# KiCad board arena_10_of_10_v1r1.kicad_pcb (continued)
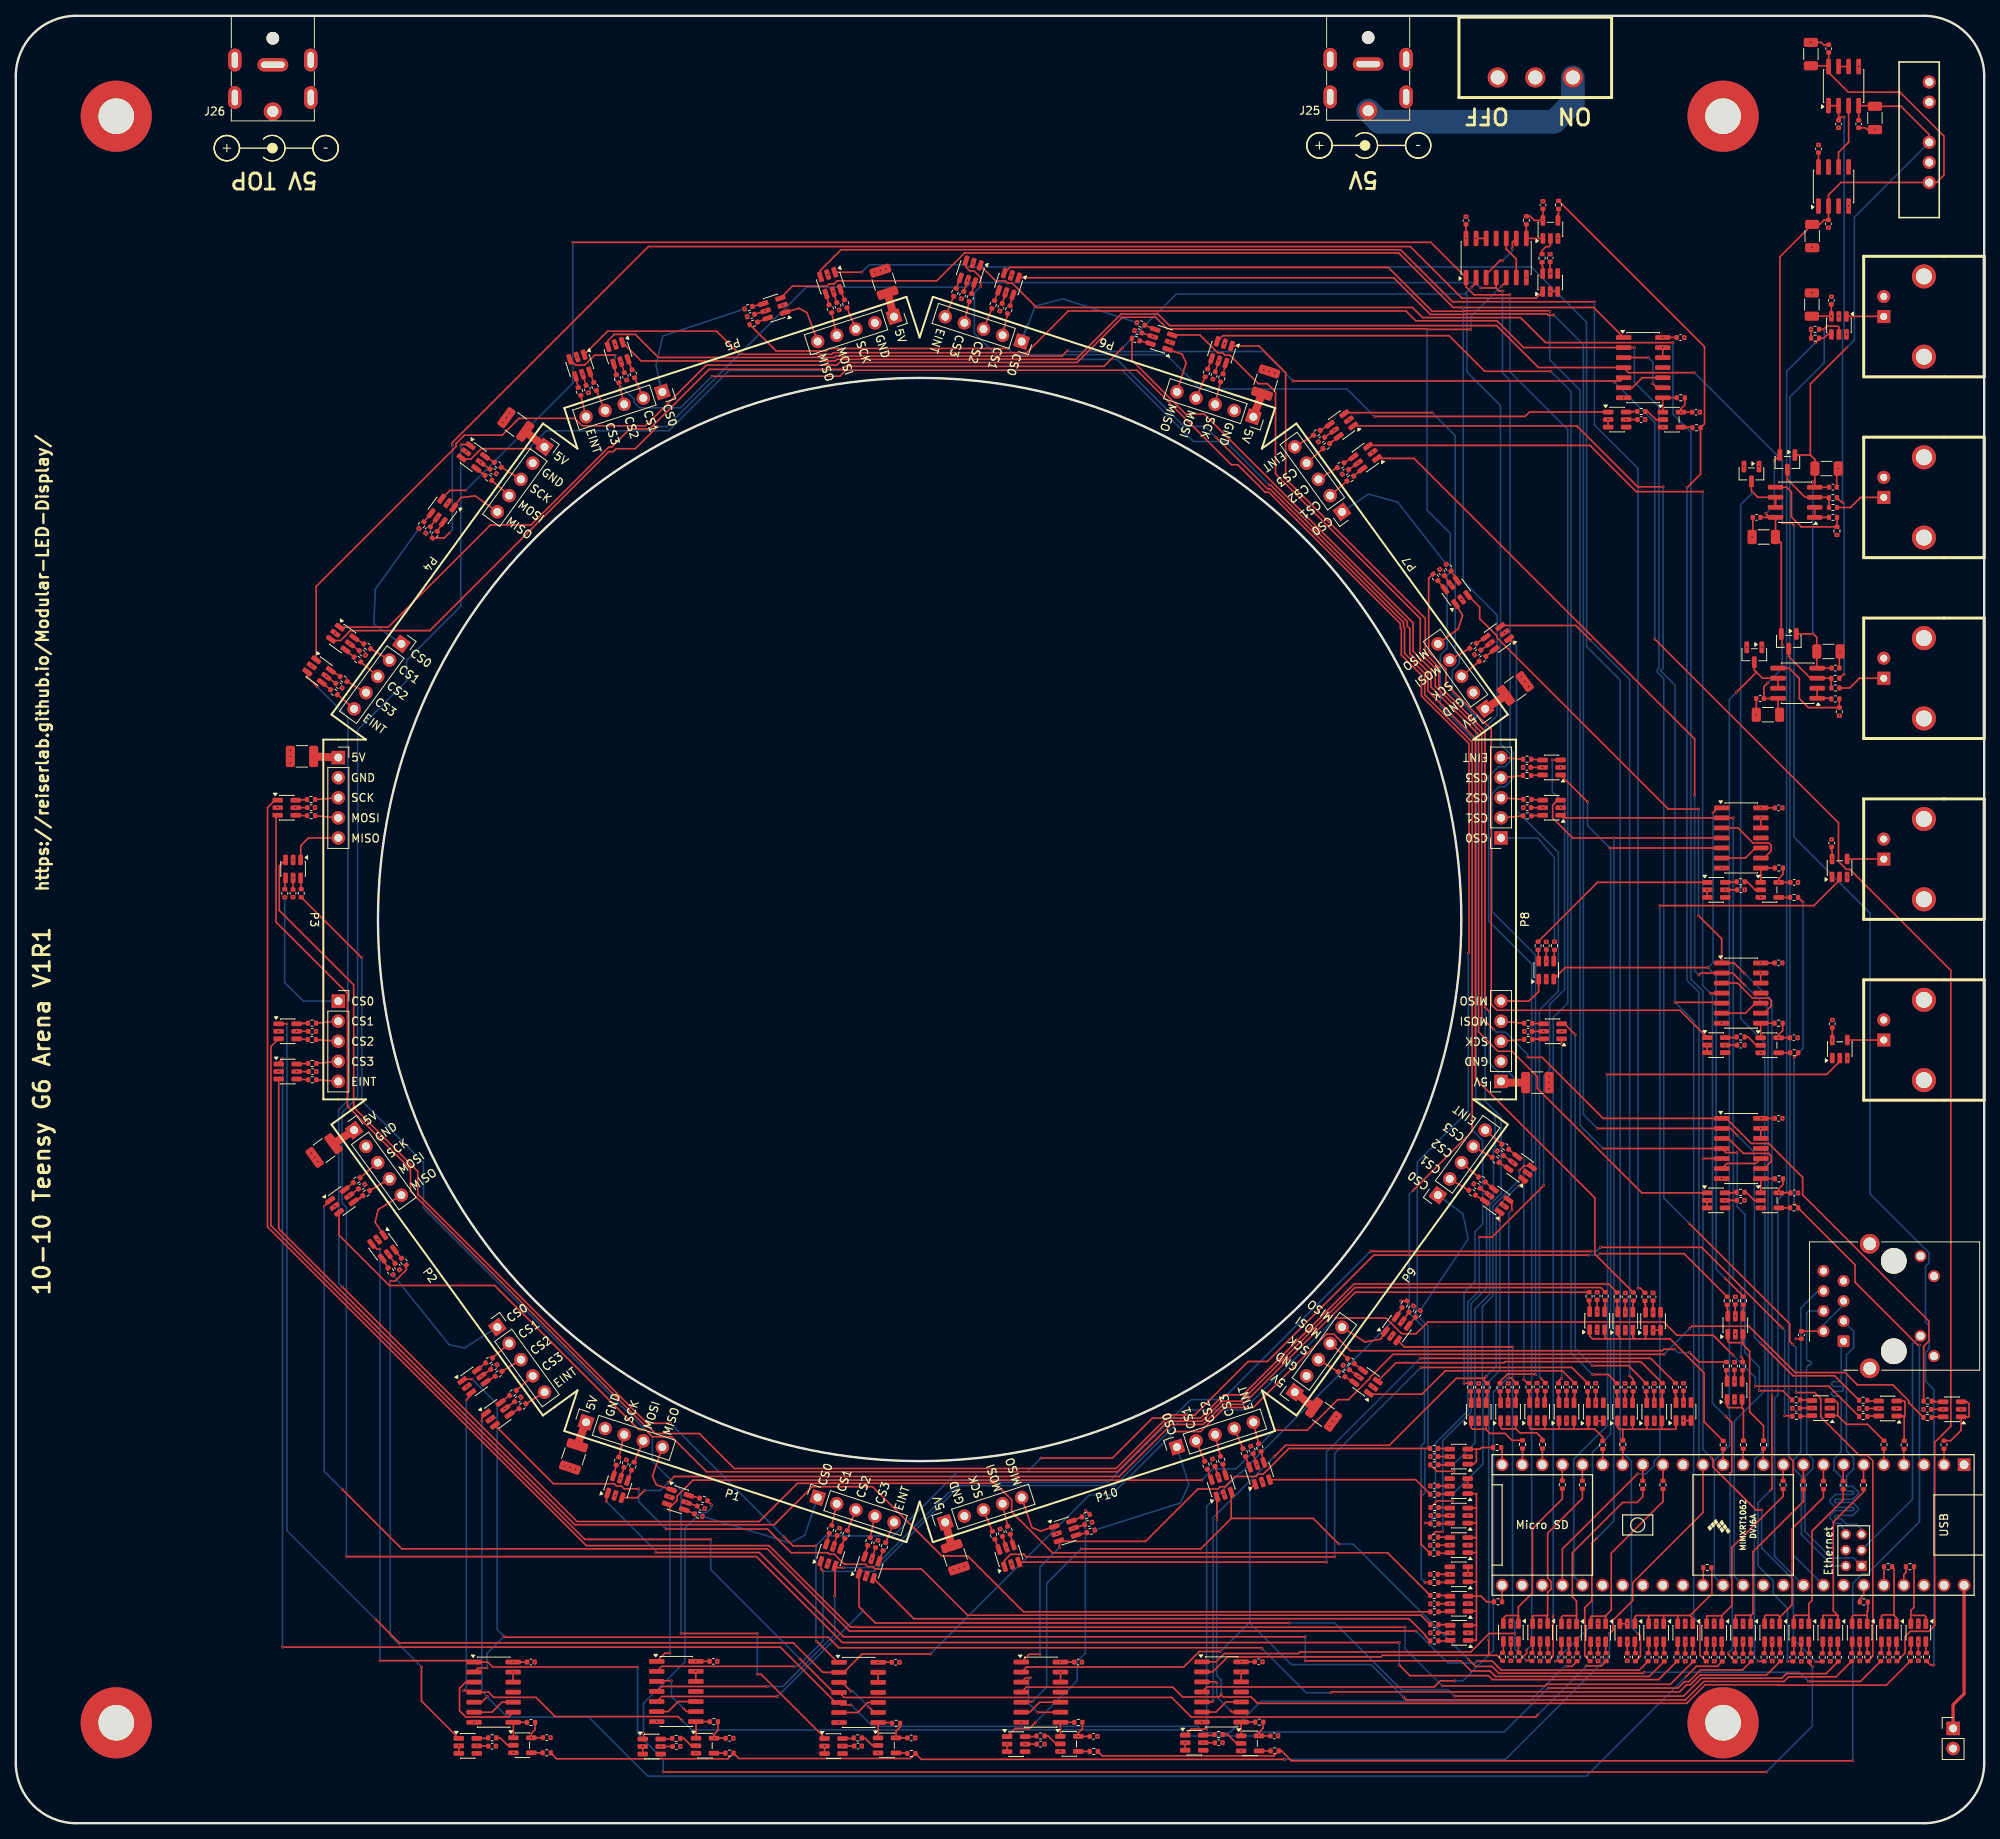
[diagram p0: board, top side]
## Routing (per net, layer and track width the routed paths; a pad name or vN(x,y) marks a point on that pad's centre or on a via; arc(x,y) is an arc through that point) (continued)
  Top w0.2: U11.6 195.15,53.93 195.07,54.01 R40.1
Net-(R41-Pad1): length 1.5
  Top w0.2: U11.4 197.05,54 197.13,54.09 R41.1
Net-(R42-Pad1): length 1.5
  Top w0.2: R42.1 198.77,54.26 198.85,54.18 U12.6
Net-(R43-Pad1): length 1.5
  Top w0.2: U13.6 202.55,54.03 202.48,54.11 R43.1
Net-(R44-Pad1): length 1.5
  Top w0.2: U13.4 204.45,53.98 204.54,54.07 R44.1
Net-(R45-Pad1): length 1.5
  Top w0.2: R45.1 206.17,54.12 206.25,54.04 U14.6
Net-(R46-Pad1): length 1.5
  Top w0.2: U14.4 208.15,54 208.22,54.07 R46.1
Net-(R47-Pad1): length 1.5
  Top w0.2: R47.1 209.88,54.13 209.95,54.05 U15.6
Net-(R48-Pad1): length 1.5
  Top w0.2: U16.6 242.34,51.4 R48.1
Net-(R49-Pad1): length 1.5
  Top w0.2: U16.4 242.75,53.3 242.67,53.38 R49.1
Net-(R50-Pad1): length 1.5
  Top w0.2: U17.6 234.2,51.5 R50.1
Net-(R51-Pad1): length 1.5
  Top w0.2: R51.1 234.21,53.4 U17.4
Net-(R52-Pad1): length 1.5
  Top w0.2: U18.6 227.04,51.47 R52.1
Net-(R53-Pad1): length 1.5
  Top w0.2: U18.4 227.04,53.54 R53.1
Net-(R54-Pad1): length 1.5
  Top w0.2: R54.1 230.42,21.54 230.42,22.95
Net-(R55-Pad1): length 1.5
  Top w0.2: R55.1 228.51,21.56 U19.4
Net-(R56-Pad1): length 1.5
  Top w0.2: R56.1 226.74,21.56 U20.6
Net-(R57-Pad1): length 1.5
  Top w0.2: R57.1 224.84,21.6 U20.4
Net-(R58-Pad1): length 1.5
  Top w0.2: U21.6 223.06,21.9 223.14,21.81 R58.1
Net-(R59-Pad1): length 1.5
  Top w0.2: 221.12,21.54 221.16,21.57 U21.4 ; 221.12,21.54 R59.1 221.12,21.54
Net-(R60-Pad1): length 1.5
  Top w0.2: R60.1 219.38,21.56 U22.6
Net-(R61-Pad1): length 1.5
  Top w0.2: R61.1 217.48,21.56 U22.4
Net-(R62-Pad1): length 1.5
  Top w0.2: 215.76,21.53 215.73,21.56 U23.6 ; 215.76,21.53 R62.1 215.76,21.53
Net-(R63-Pad1): length 1.5
  Top w0.2: U23.4 213.82,21.55 213.8,21.53 ; 213.8,21.53 R63.1 213.8,21.53
Net-(R64-Pad1): length 1.5
  Top w0.2: R64.1 216.42,64.98 216.5,64.9 U24.6
Net-(R65-Pad1): length 1.5
  Top w0.2: U24.4 218.4,64.91 218.48,64.99 R65.1
Net-(R66-Pad1): length 1.5
  Top w0.2: R66.1 216.31,56.68 216.4,56.59 216.4,55.88
Net-(R67-Pad1): length 1.5
  Top w0.2: R67.1 218.38,56.63 218.3,56.55 218.3,55.88
Net-(R68-Pad1): length 1.5
  Top w0.2: R68.1 201.05,21.59 U26.6
Net-(R69-Pad1): length 1.5
  Top w0.2: U26.4 199.15,21.59 R69.1
Net-(R70-Pad1): length 1.4
  Top w0.2: R70.1 197.37,21.6 U27.6
Net-(R71-Pad1): length 1.5
  Top w0.2: 195.46,22.93 195.46,21.59 R71.1
Net-(R72-Pad1): length 1.5
  Top w0.2: R72.1 193.71,21.59 U28.6
Net-(R73-Pad1): length 1.5
  Top w0.2: U28.4 191.81,21.62 R73.1
Net-(R74-Pad1): length 1.5
  Top w0.2: R74.1 190.01,21.62 U29.6
Net-(R75-Pad1): length 1.5
  Top w0.2: R75.1 188.12,21.64 U29.4
Net-(R76-Pad1): length 1.5
  Top w0.2: 187.76,53.19 187.76,54 187.69,54.07 R76.1
Net-(R77-Pad1): length 1.5
  Top w0.2: R77.1 189.75,54.03 189.66,53.95 U30.4
Net-(R78-Pad1): length 1.5
  Top w0.2: R78.1 183.97,54.11 184.05,54.03 U31.6
Net-(R79-Pad1): length 1.5
  Top w0.2: U31.4 185.95,53.93 186.06,54.04 R79.1
Net-(R80-Pad1): length 1.5
  Top w0.2: 181.29,45.37 U32.6 181.29,45.37 ; 181.29,45.37 181.25,45.33 R80.1
Net-(R81-Pad1): length 1.6
  Top w0.2: 181.29,47.36 181.33,47.32 181.29,47.36 ; 181.29,47.36 181.25,47.4 R81.1
Net-(R82-Pad1): length 1.5
  Top w0.2: R82.1 241.55,21.62 U33.6
Net-(R83-Pad1): length 1.5
  Top w0.2: 239.64,22.96 239.64,21.59 R83.1
Net-(R84-Pad1): length 1.5
  Top w0.2: 237.86,21.56 R84.1 237.86,21.56 ; 237.86,21.56 237.82,21.59 U34.6
Net-(R85-Pad1): length 1.5
  Top w0.2: 235.88,21.56 R85.1 235.88,21.56 ; 235.88,21.56 235.93,21.6 U34.4
Net-(R86-Pad1): length 1.5
  Top w0.2: 234.16,21.56 234.12,21.6 U35.6 ; 234.16,21.56 R86.1 234.16,21.56
Net-(R87-Pad1): length 1.5
  Top w0.2: 232.19,21.54 R87.1 232.19,21.54 ; 232.19,21.54 232.23,21.57 U35.4
Net-(R88-Pad1): length 1.5
  Top w0.2: U36.6 181.27,34.15 R88.1
Net-(R89-Pad1): length 1.5
  Top w0.2: U36.4 181.29,36.18 R89.1
Net-(R90-Pad1): length 1.4
  Top w0.2: U37.6 181.26,37.88 R90.1
Net-(R91-Pad1): length 1.4
  Top w0.2: U37.4 181.27,39.93 R91.1
Net-(R92-Pad1): length 1.5
  Top w0.2: 181.32,41.68 181.25,41.61 R92.1
Net-(R93-Pad1): length 1.6
  Top w0.2: 181.34,23.08 181.38,23.12 181.34,23.08 ; 181.34,23.08 181.3,23.04 R93.1
Net-(R94-Pad1): length 1.6
  Top w0.2: 181.34,25.07 181.3,25.11 R94.1 ; 181.34,25.07 U39.4 181.34,25.07
Net-(R95-Pad1): length 1.5
  Top w0.2: 181.33,26.78 U40.6 181.33,26.78 ; 181.33,26.78 181.29,26.74 R95.1
Net-(R96-Pad1): length 1.6
  Top w0.2: R96.1 181.27,28.8 181.32,28.75 ; 181.32,28.75 U40.4 181.32,28.75 181.32,28.75
Net-(R97-Pad1): length 1.5
  Top w0.2: R97.1 181.28,30.45 U41.6
Net-(R98-Pad1): length 1.4
  Top w0.2: R98.1 85.81,41.28 U43.6 85.1,41.47
Net-(R99-Pad1): length 1.4
  Top w0.2: U42.6 75.57,43.92 R99.1
Net-(R100-Pad1): length 1.4
  Top w0.2: 77.37,43.34 U42.4 R100.1
Net-(R101-Pad1): length 1.4
  Top w0.2: 84.52,39.66 U43.4 R101.1
Net-(R102-Pad1): length 1.4
  Top w0.2: U44.6 102.87,36.69 R102.1
Net-(R103-Pad1): length 1.4
  Top w0.2: R103.1 104.84,36.03 U44.4
Net-(R104-Pad1): length 1.5
  Top w0.2: R104.1 U45.6
Net-(R105-Pad1): length 1.5
  Top w0.2: 109.15,33.14 U45.4 109.15,33.14 ; 109.15,33.14 R105.1
Net-(R106-Pad1): length 1.4
  Top w0.2: 47.87,72.54 R106.1 48.78,71.43 ; 47.87,72.54 U47.6 47.87,72.54
Net-(R107-Pad1): length 1.5
  Top w0.2: 41.65,80.17 41.64,80.17 U46.6 ; 41.65,80.17 R107.1 42.71,81.04 ; 41.65,80.17 41.6,80.13
Net-(R108-Pad1): length 2.2
  Top w0.2: 43.31,78.99 43.51,78.99 R108.1 43.31,78.99 ; 43.31,78.99 42.71,78.59 U46.4
Net-(R109-Pad1): length 1.4
  Top w0.2: R109.1 47.09,70.21 46.33,71.42
Net-(R110-Pad1): length 1.5
  Top w0.2: 58.36,57.36 U48.6 58.35,57.36 58.36,57.36 ; 58.36,57.36 R110.1 59.43,58.23
Net-(R111-Pad1): length 1.4
  Top w0.2: 59.43,55.78 U48.4 60.64,56.54
Net-(R112-Pad1): length 1.5
  Top w0.2: 61.36,53.25 62.08,53.82 R112.1 ; 61.36,53.25 61.35,53.25 U49.6 61.36,53.25
Net-(R113-Pad1): length 1.5
  Top w0.2: 62.43,51.67 U49.4 63.66,52.45 R113.1
Net-(R114-Pad1): length 1.4
  Top w0.2: U51.6 R114.1
Net-(R115-Pad1): length 1.4
  Top w0.2: U50.6 R115.1
Net-(R116-Pad1): length 1.4
  Top w0.2: U50.4 R116.1
Net-(R117-Pad1): length 1.4
  Top w0.2: U51.4 R117.1
Net-(R118-Pad1): length 2.1
  Top w0.2: 36.27,101.15 R118.1 36.91,101.15 36.27,101.15 ; 36.27,101.15 U52.6
Net-(R119-Pad1): length 1.4
  Top w0.2: U52.4 R119.1
Net-(R120-Pad1): length 1.5
  Top w0.2: 36.98,96.09 R120.1 U53.6
Net-(R121-Pad1): length 1.5
  Top w0.2: U53.4 R121.1
Net-(R122-Pad1): length 1.4
  Top w0.2: U55.6 R122.1
Net-(R123-Pad1): length 1.4
  Top w0.2: U54.6 R123.1
Net-(R124-Pad1): length 1.9
  Top w0.2: 58.27,171.31 58.97,170.76 ; 58.97,170.76 59.34,170.46 ; 58.97,170.76 59.04,170.76 R124.1
Net-(R125-Pad1): length 1.5
  Top w0.2: 52.48,165.64 R125.1 51.6,164.59 ; 52.48,165.64 52.52,165.69 ; 52.48,165.64 52.52,165.68 U55.4
Net-(R126-Pad1): length 1.4
  Top w0.2: U56.6 42.81,149.94 44.02,149.16
Net-(R127-Pad1): length 1.5
  Top w0.2: 41.74,148.36 U56.4 41.73,148.36 41.74,148.36 ; 41.74,148.36 R127.1
Net-(R128-Pad1): length 1.5
  Top w0.2: 41.05,145.01 U57.6
Net-(R129-Pad1): length 1.5
  Top w0.2: 38.76,144.24 39.29,143.79 39.83,143.35 ; 38.76,144.24 38.75,144.24 U57.4 38.76,144.24
Net-(R130-Pad1): length 1.4
  Top w0.2: U59.6 95.11,190.38 R130.1
Net-(R131-Pad1): length 1.4
  Top w0.2: R131.1 104.27,194 U58.6
Net-(R132-Pad1): length 1.4
  Top w0.2: 102.85,192.03 R132.1 U58.4
Net-(R133-Pad1): length 1.4
  Top w0.2: U59.4 R133.1 93.13,191.84
Net-(R134-Pad1): length 1.4
  Top w0.2: R134.1 U60.6
Net-(R135-Pad1): length 1.4
  Top w0.2: R135.1 75.95,183.19 U60.4
Net-(R136-Pad1): length 1.5
  Top w0.2: U61.6 R136.1
Net-(R137-Pad1): length 1.5
  Top w0.2: U61.4 71.13,181.58 R137.1
Net-(R138-Pad1): length 1.4
  Top w0.2: R138.1 U63.6 143.5,187.13
Net-(R139-Pad1): length 1.4
  Top w0.2: U62.6 153.03,184.68 R139.1
Net-(R140-Pad1): length 1.4
  Top w0.2: 151.23,185.27 U62.4 R140.1
Net-(R141-Pad1): length 1.5
  Top w0.2: 142.79,189.46 R141.1 142.77,189.46 142.79,189.46 ; 142.79,189.46 U63.4 144.08,188.94
Net-(R142-Pad1): length 1.4
  Top w0.2: R142.1 125.73,191.91 U64.6
Net-(R143-Pad1): length 1.4
  Top w0.2: R143.1 123.76,192.57 U64.4
Net-(R144-Pad1): length 1.5
  Top w0.2: R144.1 U65.6
Net-(R145-Pad1): length 1.5
  Top w0.2: R145.1 U65.4
Net-(R146-Pad1): length 1.5
  Top w0.2: 179.82,157.17 R146.1 180.69,156.11 ; 180.69,156.11 U67.6 180.73,156.07 180.69,156.11
Net-(R147-Pad1): length 1.5
  Top w0.2: 185.89,147.56 R147.1 186.95,148.43 ; 186.95,148.43 187,148.47 ; 186.95,148.43 186.96,148.43 U66.6
Net-(R148-Pad1): length 1.4
  Top w0.2: R148.1 185.89,150.01 U66.4
Net-(R149-Pad1): length 1.4
  Top w0.2: R149.1 181.5,158.39 182.26,157.18
Net-(R150-Pad1): length 1.4
  Top w0.2: 169.17,170.37 R150.1 U68.6
Net-(R151-Pad1): length 1.4
  Top w0.2: 167.96,172.06 U68.4 169.17,172.82
Net-(R152-Pad1): length 2
  Top w0.2: 166.52,174.78 166.45,174.78 R152.1 166.52,174.78 ; 166.52,174.78 U69.6
Net-(R153-Pad1): length 1.5
  Top w0.2: 166.17,176.93 164.94,176.15 R153.1
Net-(R154-Pad1): length 1.4
  Top w0.2: R154.1 U71.6
Net-(R155-Pad1): length 2.1
  Top w0.2: 192.45,99.17 U70.6 ; 192.45,99.17 191.81,99.17 R155.1 192.45,99.17
Net-(R156-Pad1): length 1.4
  Top w0.2: R156.1 U70.4
Net-(R157-Pad1): length 1.4
  Top w0.2: U71.4 R157.1
Net-(R158-Pad1): length 1.4
  Top w0.2: U72.6 R158.1
Net-(R159-Pad1): length 1.4
  Top w0.2: U72.4 R159.1
Net-(R160-Pad1): length 1.5
  Top w0.2: 191.62,132.51 R160.1 193.08,132.58 U73.6
Net-(R161-Pad1): length 1.5
  Top w0.2: R161.1 193.08,134.48 U73.4
Net-(R162-Pad1): length 1.4
  Top w0.2: R162.1 U75.6
Net-(R163-Pad1): length 1.4
  Top w0.2: U74.6 R163.1
Net-(R164-Pad1): length 1.9
  Top w0.2: 169.25,58.14 169.63,57.84 ; 169.63,57.84 U74.4 ; 169.63,57.84 169.56,57.84 R164.1
Net-(R165-Pad1): length 1.4
  Top w0.2: 176.12,62.96 R165.1 177,64.01
Net-(R166-Pad1): length 1.4
  Top w0.2: U76.6 185.79,78.66 R166.1 184.58,79.44
Net-(R167-Pad1): length 1.4
  Top w0.2: R167.1 U76.4
Net-(R168-Pad1): length 1.5
  Top w0.2: 187.56,83.59 187.82,83.41 U77.6
Net-(R169-Pad1): length 1.5
  Top w0.2: U77.4 188.77,85.25
Net-(R170-Pad1): length 1.4
  Top w0.2: R170.1 133.49,38.22 U79.6
Net-(R171-Pad1): length 1.4
  Top w0.2: 124.33,34.6 U78.6 R171.1
Net-(R172-Pad1): length 1.4
  Top w0.2: 125.75,36.57 R172.1 U78.4
Net-(R173-Pad1): length 1.4
  Top w0.2: 135.47,36.76 R173.1 U79.4
Net-(R174-Pad1): length 1.4
  Top w0.2: R174.1 U80.6
Net-(R175-Pad1): length 1.4
  Top w0.2: R175.1 152.65,45.41 U80.4
Net-(R176-Pad1): length 1.5
  Top w0.2: R176.1 U81.6
Net-(R177-Pad1): length 1.5
  Top w0.2: R177.1 157.47,47.02 U81.4
Net-(R186-Pad2): length 1.5
  Top w0.2: U88.4 89.73,8.85 R186.2
Net-(R187-Pad2): length 4.9
  Top w0.2: 86.02,11.72 U88.1 86.02,11.72 ; 86.02,11.72 86.02,12.83 U89.8 87.76,12.85 R187.2
Net-(R188-Pad1): length 2.4
  Top w0.2: R188.1 84.48,10.73 85.41,9.8 U88.2
Net-(R188-Pad2): length 1.5
  Top w0.2: R188.2 82.93,10.65 U90.6
Net-(R189-Pad2): length 1.4
  Top w0.2: U92.4 R189.2
Net-(R190-Pad2): length 3.7
  Top w0.2: 62.91,12.75 U91.8 ; 62.91,12.75 62.92,12.74 U92.1 ; 62.91,12.75 U91.8 ; U91.8 R190.2
Net-(R191-Pad1): length 2.6
  Top w0.2: R191.1 61.25,10.8 62.19,9.86 U92.2
Net-(R191-Pad2): length 1.5
  Top w0.2: R191.2 59.66,10.73 U93.6
Net-(R192-Pad2): length 1.5
  Top w0.2: 112.72,8.85 112.68,8.89 U96.4 ; 112.72,8.85 112.72,8.85 R192.2 112.72,8.85
Net-(R193-Pad2): length 3.8
  Top w0.2: 109.04,10.79 U96.1 109.04,10.79 ; 109.04,10.79 109.05,10.8 U94.8 110.72,12.73 110.76,12.68 ; 110.76,12.68 R193.2 110.76,12.68
Net-(R194-Pad1): length 2.4
  Top w0.2: U96.2 108.31,9.84 107.35,10.79 R194.1
Net-(R194-Pad2): length 1.5
  Top w0.2: 105.92,10.75 R194.2 105.92,10.75 ; 105.92,10.75 105.88,10.71 U97.6
Net-(R195-Pad2): length 1.9
  Top w0.2: 195.02,203.11 U100.4 195.02,203.11 ; 195.02,203.11 195.02,203.5 195.1,203.58 R195.2
Net-(R196-Pad2): length 3.9
  Top w0.2: U100.1 191.02,200.44 U95.8 191.02,200.45 R196.2
Net-(R197-Pad1): length 3.1
  Top w0.2: 194.07,200.01 194.07,200.01 U100.2 194.07,200.01 ; 194.07,200.01 194.07,199.57 193.9,199.4 193.5,199.4 193.01,198.91 R197.1
Net-(R197-Pad2): length 1.5
  Top w0.2: U101.6 193.09,196.89 193.01,196.97 R197.2
Net-(R198-Pad2): length 1.5
  Top w0.2: R198.2 211.96,176.57 U104.4
Net-(R199-Pad2): length 3.6
  Top w0.2: 208.28,178.48 U104.1 208.28,178.48 ; 208.28,178.48 208.27,178.49 U98.8 R199.2
Net-(R200-Pad1): length 2.7
  Top w0.2: R200.1 206.36,178.56 207.4,177.52 U104.2
Net-(R200-Pad2): length 1.4
  Top w0.2: U105.6 204.49,178.48 204.57,178.56 R200.2
Net-(R201-Pad2): length 1.4
  Top w0.2: 222.95,77.83 R201.2
Net-(R202-Pad2): length 3.6
  Top w0.2: U108.1 U99.8 222.43,81.53 R202.2
Net-(R203-Pad1): length 2.5
  Top w0.2: R203.1 218.82,79.8 219.85,78.78 U108.2
Net-(R203-Pad2): length 1.5
  Top w0.2: U109.6 217.07,79.73 217.14,79.8 R203.2
Net-(R204-Pad2): length 1.5
  Top w0.2: R204.2 224.37,97.44 U112.4
Net-(R205-Pad2): length 3.6
  Top w0.2: R205.2 U102.8 220.65,101.17 U112.1
Net-(R206-Pad1): length 2.5
  Top w0.2: R206.1 219.07,99.44 220.12,98.39 U112.2
Net-(R206-Pad2): length 1.5
  Top w0.2: R206.2 217.53,99.36 U113.6
Net-(R207-Pad2): length 1.4
  Top w0.2: 224.37,117.1 R207.2 224.37,117.1 ; 224.37,117.1 224.36,117.1 U116.4
Net-(R208-Pad2): length 4.5
  Top w0.2: 222.44,120.81 R208.2 222.44,120.81 ; 222.44,120.81 222.44,120.81 U103.8 220.66,120.79 220.66,119.9 ; 220.66,119.9 U116.1 220.66,119.9
Net-(R209-Pad1): length 2.4
  Top w0.2: U116.2 219.96,118.05 218.94,119.07 R209.1
Net-(R209-Pad2): length 1.5
  Top w0.2: U117.6 216.99,119 217.06,119.07 R209.2
Net-(R210-Pad2): length 1.5
  Top w0.2: R210.2 158.69,9.15 U120.4
Net-(R211-Pad2): length 3.5
  Top w0.2: R211.2 U106.8 154.95,11.05 U120.1
Net-(R212-Pad1): length 2.8
  Top w0.2: R212.1 153.26,11.21 154.38,10.1 U120.2
Net-(R212-Pad2): length 1.5
  Top w0.2: R212.2 151.52,11.13 U121.6
Net-(R213-Pad2): length 1.4
  Top w0.2: U124.4 135.8,9.08 R213.2
Net-(R214-Pad2): length 3.5
  Top w0.2: U124.1 132.1,10.99 U107.8 133.84,12.76 R214.2
Net-(R215-Pad1): length 2.4
  Top w0.2: U124.2 131.56,10.03 130.55,11.03 R215.1
Net-(R215-Pad2): length 1.5
  Top w0.2: U125.6 129,10.95 R215.2
Net-(U1-0_RX1_CRX2_CS1): length 2
  Top w0.2: U1.2 R1.2
Net-(U1-2_OUT2): length 2
  Top w0.2: R2.2 238.76,47.3 U1.4
Net-(U1-3_LRCLK2): length 2
  Top w0.2: U1.5 236.22,47.32 R3.2
Net-(U1-4_BCLK2): length 2.1
  Top w0.2: U1.6 233.66,45.32 R4.2
Net-(U1-5_IN2): length 2.1
  Top w0.2: R5.2 231.09,45.29 U1.7
Net-(U1-6_OUT1D): length 2.1
  Top w0.2: R6.2 228.59,45.33 U1.8
Net-(U1-7_RX2_OUT1A): length 2.1
  Top w0.2: R7.2 226.05,45.33 U1.9
Net-(U1-8_TX2_IN1): length 2.1
  Top w0.2: R8.2 223.49,45.31 U1.10
Net-(U1-9_OUT1C): length 2
  Top w0.2: R9.2 220.98,47.34 U1.11
Net-(U1-10_CS_MQSR): length 2
  Top w0.2: U1.12 218.44,47.33 R10.2
Net-(U1-11_MOSI_CTX1): length 2
  Top w0.2: U1.13 215.9,47.31 R11.2
Net-(U1-13_SCK_LED): length 2.2
  Top w0.2: R24.2 213.4,30.14 U1.35
Net-(U1-21_A7_RX5_BCLK1): length 2.3
  Top w0.2: R23.2 233.19,28.37 233.68,28.86 U1.43
Net-(U1-22_A8_CTX1): length 2.4
  Top w0.2: U1.44 236.22,31.59 236.26,31.63 R22.2
Net-(U1-23_A9_CRX1_MCLK1): length 2.4
  Top w0.2: U1.45 238.76,31.44 239.02,31.7 R21.2
Net-(U1-24_A10_TX6_SCL2): length 2
  Top w0.2: U1.16 208.3,45.32 R12.2
Net-(U1-25_A11_RX6_SDA2): length 2
  Top w0.2: R13.2 U1.17
Net-(U1-26_A12_MOSI1): length 2.1
  Top w0.2: R14.2 203.22,45.36 U1.18
Net-(U1-27_A13_SCK1): length 2
  Top w0.2: U1.19 200.68,45.36 R15.2
Net-(U1-28_RX7): length 2
  Top w0.2: R16.2 198.11,45.33 U1.20
Net-(U1-29_TX7): length 2
  Top w0.2: U1.21 195.57,45.33 R17.2
Net-(U1-30_CRX3): length 2.1
  Top w0.2: R18.2 193.06,45.36 U1.22
Net-(U1-31_CTX3): length 2.1
  Top w0.2: R19.2 190.54,45.38 U1.23
Net-(U1-32_OUT1B): length 2.2
  Top w0.2: U1.24 187.96,47.38 R20.2
Net-(U1-33_MCLK2): length 2.1
  Top w0.2: U1.25 187.96,28.01 R25.2
Net-(U1-36_CS): length 116.1
  Top w0.2: U3.2 230.63,119.29 227.39,116.06 v1(207.9,116.06) ; v1(205.08,44.19) 195.58,34.69 U1.28
  Bottom w0.2: v1(205.08,44.19) 206.16,44.19 207.18,45.21 207.18,45.8 207.9,46.52 v1(207.9,116.06)
Net-(U1-37_CS): length 97.4
  Top w0.2: v1(201.21,94.71) 229.01,94.71 230.66,96.36 U2.2
  Bottom w0.2: U1.29 197.01,31.21 197.01,46.04 201.29,50.31 201.29,94.63 v1(201.21,94.71)
Net-(U83A-+): length 8.7
  Top w0.2: 227.49,167.7 U83.3 ; 227.49,167.7 226.28,167.7 224.03,169.95 D3.3 ; 227.49,167.7 229.23,167.7 R182.2 229.28,166.42 R184.1
Net-(U83A--): length 3.1
  Top w0.2: 229.29,165.17 R180.2 229.29,165.17 ; 229.29,165.17 229.29,165.16 U83.1 U83.2
Net-(U83B-+): length 12.9
  Top w0.2: R180.1 230.31,163.97 R178.2 225.8,163.96 224.55,165.21 224.55,168.36 223.94,168.97 222.54,168.97
Net-(U84-NR): length 1.8
  Top w0.2: C99.1 227.97,209.49 227.96,209.49
Net-(U84-Vout): length 8.3
  Top w0.2: U84.6 230.5,211.34 231.77,212.61 U87.3
Net-(U86A-+): length 8.7
  Top w0.2: D4.3 224.21,147.56 226.95,144.82 U86.3 229.56,144.82 R183.2 229.58,143.59 R185.1
Net-(U86A--): length 3.1
  Top w0.2: R181.2 229.5,142.28 U86.1 U86.2
Net-(U86B-+): length 12.4
  Top w0.2: U86.5 224.25,146.09 225.54,144.8 225.54,142.25 226.69,141.1 R179.2 R181.1
Net-(U87B--): length 1.3
  Top w0.2: U87.7 U87.6
Net-(U89-Pad3): length 7.8
  Top w0.2: v1(82.9,18.01) 81.13,18.01 U89.3 ; U89.9 84.82,14.12 v1(84.42,14.53)
  Bottom w0.2: v1(82.9,18.01) 82.9,16.04 v1(84.42,14.53)
Net-(U89-Pad10): length 5.5
  Top w0.2: U89.10 83.77,15.39 82.5,14.12 U89.6
Net-(U91-Pad3): length 12.4
  Top w0.2: U91.9 62.3,13.43 56.9,13.43 56.12,14.22 56.12,17.07 56.9,17.85 U91.3
Net-(U91-Pad10): length 5.5
  Top w0.2: 62.9,15.31 61.48,15.31 60.21,14.04 U91.6
Net-(U94-Pad3): length 6.5
  Top w0.2: U94.3 104.5,17.81 v1(105.62,16.69) ; v1(107.85,14.72) 108.57,14 U94.9
  Bottom w0.2: v1(105.62,16.69) 105.88,16.69 v1(107.85,14.72)
Net-(U94-Pad10): length 5.5
  Top w0.2: U94.10 107.73,15.27 106.46,14 U94.6
Net-(U95-Pad3): length 6.7
  Top w0.2: v1(188.05,197.66) 187.71,197.66 185.94,195.88 U95.3 ; v1(189.25,199.19) 189.25,199.95 U95.9
  Bottom w0.2: v1(189.25,199.19) 189.25,198.86 v1(188.05,197.66)
Net-(U95-Pad10): length 5.5
  Top w0.2: U95.10 188.47,199.11 189.75,197.84 U95.6
Net-(U98-Pad3): length 8.1
  Top w0.2: v1(207.02,182.06) 207.52,181.56 U98.9 ; U98.3 v1(206.45,185.37)
  Bottom w0.2: v1(206.45,185.37) 207.02,184.8 v1(207.02,182.06)
Net-(U98-Pad10): length 5.5
  Top w0.2: U98.6 204.42,181.56 205.69,182.83 U98.10
Net-(U99-Pad3): length 9.5
  Top w0.2: U99.9 221.08,82.8 221.98,83.69 221.98,84.39 221.66,84.72 218.46,84.72 216.57,86.61 215.73,86.61
Net-(U99-Pad10): length 5.5
  Top w0.2: U99.6 216.37,83.44 220.05,83.44 U99.10
Net-(U102-Pad3): length 9.5
  Top w0.2: U102.9 221.07,102.45 221.97,103.35 221.97,104.05 221.66,104.36 219.63,104.36 217.72,106.26 U102.3
Net-(U102-Pad10): length 5.5
  Top w0.2: U102.10 219.99,103.72 218.72,102.45 U102.6
Net-(U103-Pad3): length 9.5
  Top w0.2: U103.3 217.78,125.89 219.68,123.98 221.67,123.98 221.98,123.67 221.98,122.97 221.08,122.08 U103.9
Net-(U103-Pad10): length 5.5
  Top w0.2: U103.6 218.73,122.08 220,123.35 U103.10
Net-(U106-Pad3): length 7.6
  Top w0.2: U106.3 151.76,17.87 v1(151.88,17.75) ; v1(153.59,14.25) 153.78,14.06 U106.9
  Bottom w0.2: v1(151.88,17.75) 151.88,15.96 v1(153.59,14.25)
Net-(U106-Pad10): length 5.5
  Top w0.2: U106.10 153.05,15.33 151.78,14.06 U106.6
Net-(U107-Pad3): length 9.2
  Top w0.2: v1(128.32,18.39) 127.7,18.39 U107.3 ; U107.9 v1(129.21,14.03)
  Bottom w0.2: v1(129.21,14.03) 128.06,15.18 128.06,18.13 v1(128.32,18.39)
Net-(U107-Pad10): length 5.5
  Top w0.2: U107.10 129.47,15.3 128.21,14.03 U107.6

## Copper pours and planes (outline as drawn; the poured copper is in the pictures)
+3.3V on In3.Cu: 1.27,220.98 7.62,227.33 241.3,227.33 247.65,220.98 247.65,7.62 241.3,1.27 7.62,1.27 1.27,7.62
+5V on In2.Cu: 1.27,220.98 7.62,227.33 241.3,227.33 247.65,220.98 247.65,7.62 241.3,1.27 7.62,1.27 1.27,7.62
GND on In1.Cu: 1.27,220.98 7.62,227.33 241.3,227.33 247.65,220.98 247.65,7.62 241.3,1.27 7.62,1.27 1.27,7.62
GND on In4.Cu: 1.27,220.98 7.62,227.33 241.3,227.33 247.65,220.98 247.65,7.62 241.3,1.27 7.62,1.27 1.27,7.62

## Text on the board
B.Silkscreen: https://reiserlab.github.io/Modular-LED-Display/
User.Drawings: Remember to swap larger / temporary diameter with smaller / actual diameter after / routing PCB
F.Silkscreen: https://reiserlab.github.io/Modular-LED-Display/ | 10-10 Teensy G6 Arena V1R1 | 5V TOP | 5V | ON    OFF
